# KiCad board led_mapper_850.kicad_pcb (continued)
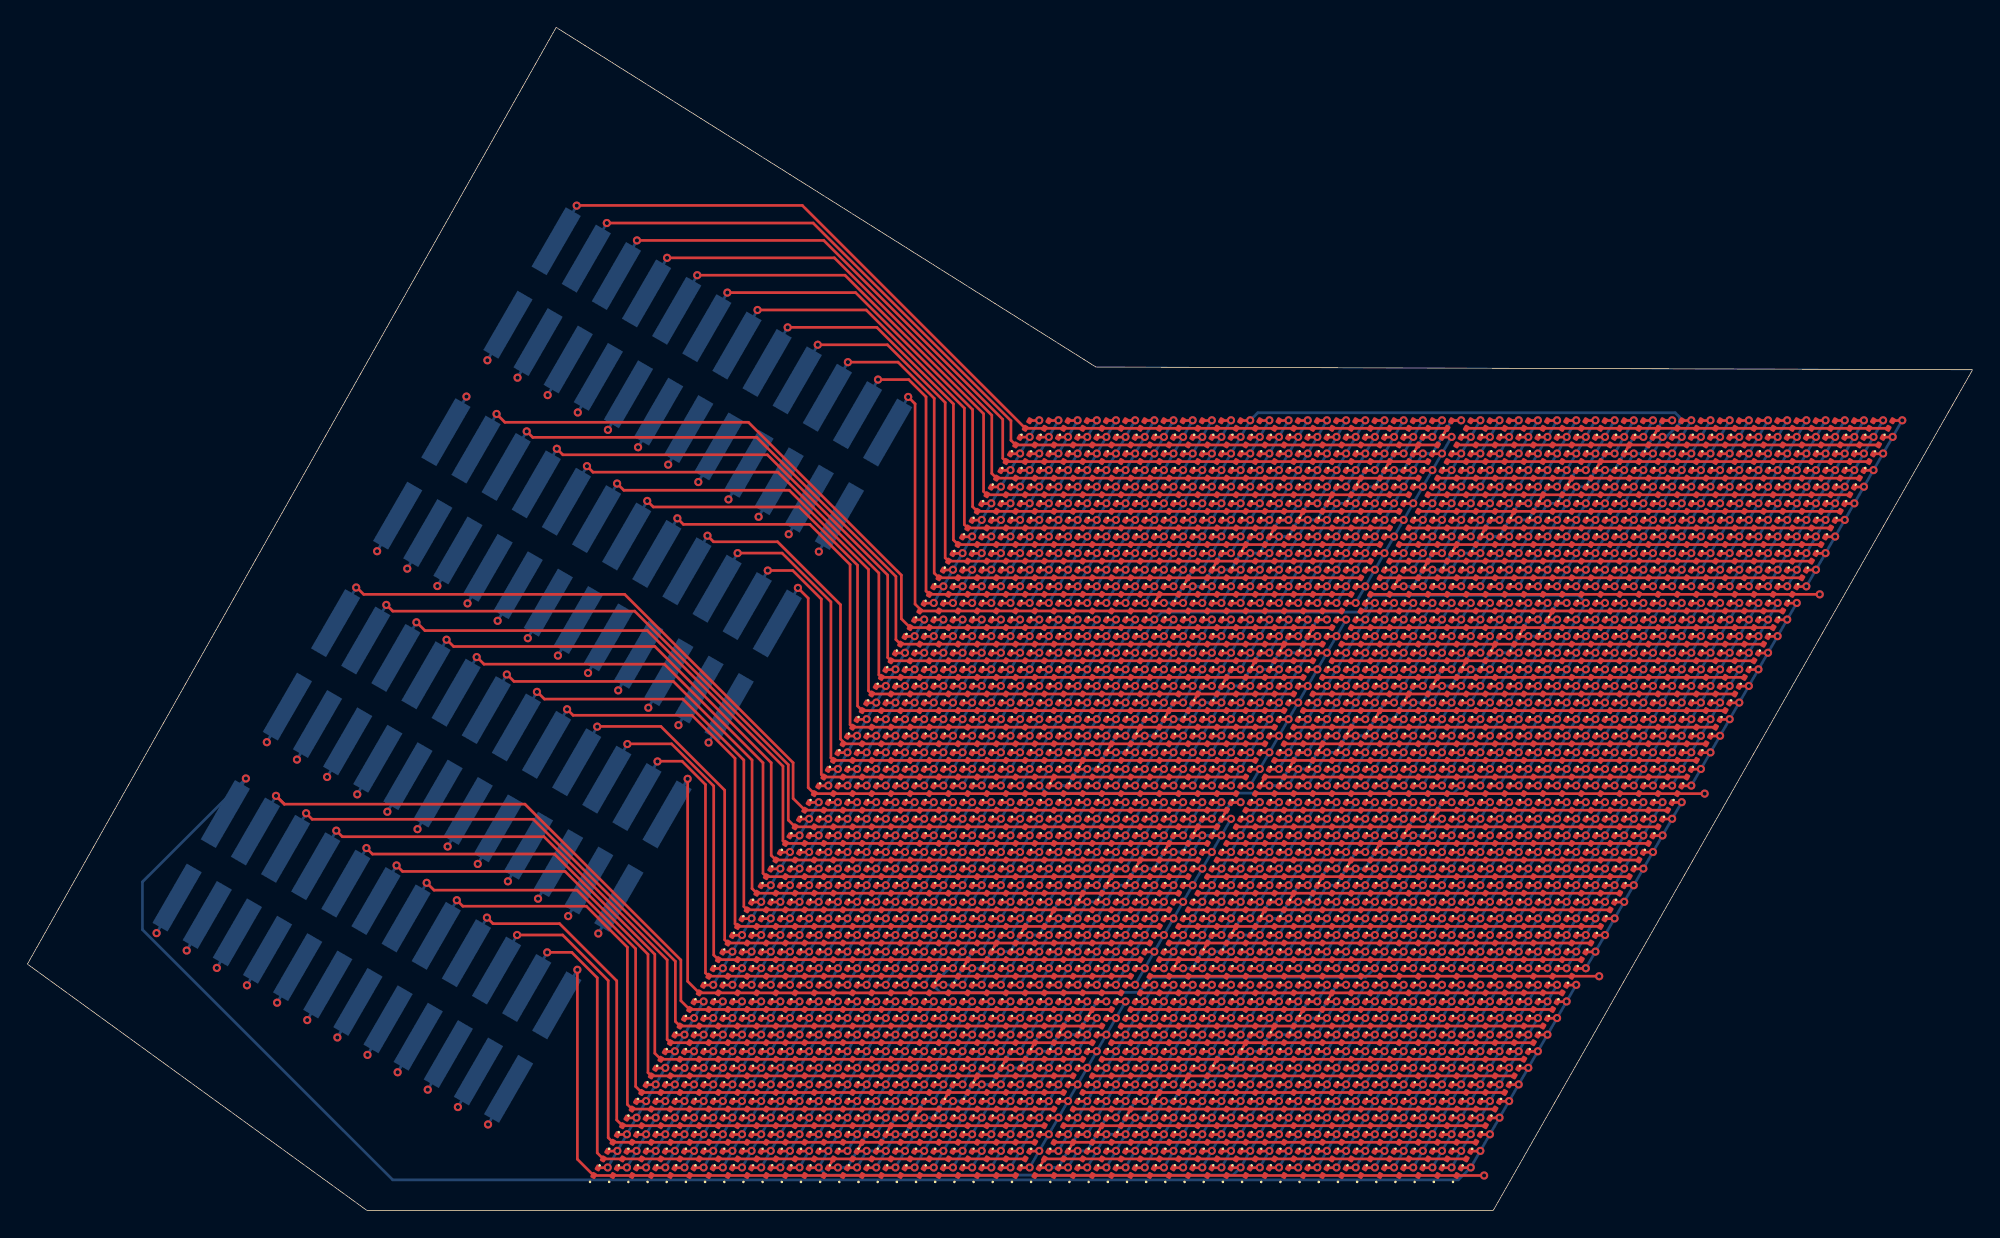
[diagram p0: board, top side]
## Placement (name value [footprint] x y rotation side) (continued)
D1902  LED  [LED_0201_0603Metric]  55.5 10.12 60 top
D1903  LED  [LED_0201_0603Metric]  54.1 10.12 60 top
D1904  LED  [LED_0201_0603Metric]  52.7 10.12 60 top
D1905  LED  [LED_0201_0603Metric]  51.3 10.12 60 top
D1906  LED  [LED_0201_0603Metric]  49.9 10.12 60 top
D1907  LED  [LED_0201_0603Metric]  48.5 10.12 60 top
D1908  LED  [LED_0201_0603Metric]  47.1 10.12 60 top
D1909  LED  [LED_0201_0603Metric]  45.7 10.12 60 top
D1910  LED  [LED_0201_0603Metric]  109.4 11.33 60 top
D1911  LED  [LED_0201_0603Metric]  108 11.33 60 top
D1912  LED  [LED_0201_0603Metric]  106.6 11.33 60 top
D1913  LED  [LED_0201_0603Metric]  105.2 11.33 60 top
D1914  LED  [LED_0201_0603Metric]  103.8 11.33 60 top
D1915  LED  [LED_0201_0603Metric]  102.4 11.33 60 top
D1916  LED  [LED_0201_0603Metric]  101 11.33 60 top
D1917  LED  [LED_0201_0603Metric]  99.6 11.33 60 top
D1918  LED  [LED_0201_0603Metric]  98.2 11.33 60 top
D1919  LED  [LED_0201_0603Metric]  96.8 11.33 60 top
D1920  LED  [LED_0201_0603Metric]  95.4 11.33 60 top
D1921  LED  [LED_0201_0603Metric]  94 11.33 60 top
D1922  LED  [LED_0201_0603Metric]  92.6 11.33 60 top
D1923  LED  [LED_0201_0603Metric]  91.2 11.33 60 top
D1924  LED  [LED_0201_0603Metric]  89.8 11.33 60 top
D1925  LED  [LED_0201_0603Metric]  88.4 11.33 60 top
D1926  LED  [LED_0201_0603Metric]  87 11.33 60 top
D1927  LED  [LED_0201_0603Metric]  85.6 11.33 60 top
D1928  LED  [LED_0201_0603Metric]  84.2 11.33 60 top
D1929  LED  [LED_0201_0603Metric]  82.8 11.33 60 top
D1930  LED  [LED_0201_0603Metric]  81.4 11.33 60 top
D1931  LED  [LED_0201_0603Metric]  80 11.33 60 top
D1932  LED  [LED_0201_0603Metric]  78.6 11.33 60 top
D1933  LED  [LED_0201_0603Metric]  77.2 11.33 60 top
D1934  LED  [LED_0201_0603Metric]  75.8 11.33 60 top
D1935  LED  [LED_0201_0603Metric]  74.4 11.33 60 top
D1936  LED  [LED_0201_0603Metric]  73 11.33 60 top
D1937  LED  [LED_0201_0603Metric]  71.6 11.33 60 top
D1938  LED  [LED_0201_0603Metric]  70.2 11.33 60 top
D1939  LED  [LED_0201_0603Metric]  68.8 11.33 60 top
D1940  LED  [LED_0201_0603Metric]  67.4 11.33 60 top
D1941  LED  [LED_0201_0603Metric]  66 11.33 60 top
D1942  LED  [LED_0201_0603Metric]  64.6 11.33 60 top
D1943  LED  [LED_0201_0603Metric]  63.2 11.33 60 top
D1944  LED  [LED_0201_0603Metric]  61.8 11.33 60 top
D1945  LED  [LED_0201_0603Metric]  60.4 11.33 60 top
D1946  LED  [LED_0201_0603Metric]  59 11.33 60 top
D1947  LED  [LED_0201_0603Metric]  57.6 11.33 60 top
D1948  LED  [LED_0201_0603Metric]  56.2 11.33 60 top
D1949  LED  [LED_0201_0603Metric]  54.8 11.33 60 top
D1950  LED  [LED_0201_0603Metric]  53.4 11.33 60 top
D1951  LED  [LED_0201_0603Metric]  52 11.33 60 top
D1952  LED  [LED_0201_0603Metric]  50.6 11.33 60 top
D1953  LED  [LED_0201_0603Metric]  49.2 11.33 60 top
D1954  LED  [LED_0201_0603Metric]  47.8 11.33 60 top
D1955  LED  [LED_0201_0603Metric]  46.4 11.33 60 top
D1956  LED  [LED_0201_0603Metric]  110.1 12.54 60 top
D1957  LED  [LED_0201_0603Metric]  108.7 12.54 60 top
D1958  LED  [LED_0201_0603Metric]  107.3 12.54 60 top
D1959  LED  [LED_0201_0603Metric]  105.9 12.54 60 top
D1960  LED  [LED_0201_0603Metric]  104.5 12.54 60 top
D1961  LED  [LED_0201_0603Metric]  103.1 12.54 60 top
D1962  LED  [LED_0201_0603Metric]  101.7 12.54 60 top
D1963  LED  [LED_0201_0603Metric]  100.3 12.54 60 top
D1964  LED  [LED_0201_0603Metric]  98.9 12.54 60 top
D1965  LED  [LED_0201_0603Metric]  97.5 12.54 60 top
D1966  LED  [LED_0201_0603Metric]  96.1 12.54 60 top
D1967  LED  [LED_0201_0603Metric]  94.7 12.54 60 top
D1968  LED  [LED_0201_0603Metric]  93.3 12.54 60 top
D1969  LED  [LED_0201_0603Metric]  91.9 12.54 60 top
D1970  LED  [LED_0201_0603Metric]  90.5 12.54 60 top
D1971  LED  [LED_0201_0603Metric]  89.1 12.54 60 top
D1972  LED  [LED_0201_0603Metric]  87.7 12.54 60 top
D1973  LED  [LED_0201_0603Metric]  86.3 12.54 60 top
D1974  LED  [LED_0201_0603Metric]  84.9 12.54 60 top
D1975  LED  [LED_0201_0603Metric]  83.5 12.54 60 top
D1976  LED  [LED_0201_0603Metric]  82.1 12.54 60 top
D1977  LED  [LED_0201_0603Metric]  80.7 12.54 60 top
D1978  LED  [LED_0201_0603Metric]  79.3 12.54 60 top
D1979  LED  [LED_0201_0603Metric]  77.9 12.54 60 top
D1980  LED  [LED_0201_0603Metric]  76.5 12.54 60 top
D1981  LED  [LED_0201_0603Metric]  75.1 12.54 60 top
D1982  LED  [LED_0201_0603Metric]  73.7 12.54 60 top
D1983  LED  [LED_0201_0603Metric]  72.3 12.54 60 top
D1984  LED  [LED_0201_0603Metric]  70.9 12.54 60 top
D1985  LED  [LED_0201_0603Metric]  69.5 12.54 60 top
D1986  LED  [LED_0201_0603Metric]  68.1 12.54 60 top
D1987  LED  [LED_0201_0603Metric]  66.7 12.54 60 top
D1988  LED  [LED_0201_0603Metric]  65.3 12.54 60 top
D1989  LED  [LED_0201_0603Metric]  63.9 12.54 60 top
D1990  LED  [LED_0201_0603Metric]  62.5 12.54 60 top
D1991  LED  [LED_0201_0603Metric]  61.1 12.54 60 top
D1992  LED  [LED_0201_0603Metric]  59.7 12.54 60 top
D1993  LED  [LED_0201_0603Metric]  58.3 12.54 60 top
D1994  LED  [LED_0201_0603Metric]  56.9 12.54 60 top
D1995  LED  [LED_0201_0603Metric]  55.5 12.54 60 top
D1996  LED  [LED_0201_0603Metric]  54.1 12.54 60 top
D1997  LED  [LED_0201_0603Metric]  52.7 12.54 60 top
D1998  LED  [LED_0201_0603Metric]  51.3 12.54 60 top
D1999  LED  [LED_0201_0603Metric]  49.9 12.54 60 top
D2000  LED  [LED_0201_0603Metric]  48.5 12.54 60 top
D2001  LED  [LED_0201_0603Metric]  47.1 12.54 60 top
D2002  LED  [LED_0201_0603Metric]  110.8 13.75 60 top
D2003  LED  [LED_0201_0603Metric]  109.4 13.75 60 top
D2004  LED  [LED_0201_0603Metric]  108 13.75 60 top
D2005  LED  [LED_0201_0603Metric]  106.6 13.75 60 top
D2006  LED  [LED_0201_0603Metric]  105.2 13.75 60 top
D2007  LED  [LED_0201_0603Metric]  103.8 13.75 60 top
D2008  LED  [LED_0201_0603Metric]  102.4 13.75 60 top
D2009  LED  [LED_0201_0603Metric]  101 13.75 60 top
D2010  LED  [LED_0201_0603Metric]  99.6 13.75 60 top
D2011  LED  [LED_0201_0603Metric]  98.2 13.75 60 top
D2012  LED  [LED_0201_0603Metric]  96.8 13.75 60 top
D2013  LED  [LED_0201_0603Metric]  95.4 13.75 60 top
D2014  LED  [LED_0201_0603Metric]  94 13.75 60 top
D2015  LED  [LED_0201_0603Metric]  92.6 13.75 60 top
D2016  LED  [LED_0201_0603Metric]  91.2 13.75 60 top
D2017  LED  [LED_0201_0603Metric]  89.8 13.75 60 top
D2018  LED  [LED_0201_0603Metric]  88.4 13.75 60 top
D2019  LED  [LED_0201_0603Metric]  87 13.75 60 top
D2020  LED  [LED_0201_0603Metric]  85.6 13.75 60 top
D2021  LED  [LED_0201_0603Metric]  84.2 13.75 60 top
D2022  LED  [LED_0201_0603Metric]  82.8 13.75 60 top
D2023  LED  [LED_0201_0603Metric]  81.4 13.75 60 top
D2024  LED  [LED_0201_0603Metric]  80 13.75 60 top
D2025  LED  [LED_0201_0603Metric]  78.6 13.75 60 top
D2026  LED  [LED_0201_0603Metric]  77.2 13.75 60 top
D2027  LED  [LED_0201_0603Metric]  75.8 13.75 60 top
D2028  LED  [LED_0201_0603Metric]  74.4 13.75 60 top
D2029  LED  [LED_0201_0603Metric]  73 13.75 60 top
D2030  LED  [LED_0201_0603Metric]  71.6 13.75 60 top
D2031  LED  [LED_0201_0603Metric]  70.2 13.75 60 top
D2032  LED  [LED_0201_0603Metric]  68.8 13.75 60 top
D2033  LED  [LED_0201_0603Metric]  67.4 13.75 60 top
D2034  LED  [LED_0201_0603Metric]  66 13.75 60 top
D2035  LED  [LED_0201_0603Metric]  64.6 13.75 60 top
D2036  LED  [LED_0201_0603Metric]  63.2 13.75 60 top
D2037  LED  [LED_0201_0603Metric]  61.8 13.75 60 top
D2038  LED  [LED_0201_0603Metric]  60.4 13.75 60 top
D2039  LED  [LED_0201_0603Metric]  59 13.75 60 top
D2040  LED  [LED_0201_0603Metric]  57.6 13.75 60 top
D2041  LED  [LED_0201_0603Metric]  56.2 13.75 60 top
D2042  LED  [LED_0201_0603Metric]  54.8 13.75 60 top
D2043  LED  [LED_0201_0603Metric]  53.4 13.75 60 top
D2044  LED  [LED_0201_0603Metric]  52 13.75 60 top
D2045  LED  [LED_0201_0603Metric]  50.6 13.75 60 top
D2046  LED  [LED_0201_0603Metric]  49.2 13.75 60 top
D2047  LED  [LED_0201_0603Metric]  47.8 13.75 60 top
D2048  LED  [LED_0201_0603Metric]  111.5 14.96 60 top
D2049  LED  [LED_0201_0603Metric]  110.1 14.96 60 top
D2050  LED  [LED_0201_0603Metric]  108.7 14.96 60 top
D2051  LED  [LED_0201_0603Metric]  107.3 14.96 60 top
D2052  LED  [LED_0201_0603Metric]  105.9 14.96 60 top
D2053  LED  [LED_0201_0603Metric]  104.5 14.96 60 top
D2054  LED  [LED_0201_0603Metric]  103.1 14.96 60 top
D2055  LED  [LED_0201_0603Metric]  101.7 14.96 60 top
D2056  LED  [LED_0201_0603Metric]  100.3 14.96 60 top
D2057  LED  [LED_0201_0603Metric]  98.9 14.96 60 top
D2058  LED  [LED_0201_0603Metric]  97.5 14.96 60 top
D2059  LED  [LED_0201_0603Metric]  96.1 14.96 60 top
D2060  LED  [LED_0201_0603Metric]  94.7 14.96 60 top
D2061  LED  [LED_0201_0603Metric]  93.3 14.96 60 top
D2062  LED  [LED_0201_0603Metric]  91.9 14.96 60 top
D2063  LED  [LED_0201_0603Metric]  90.5 14.96 60 top
D2064  LED  [LED_0201_0603Metric]  89.1 14.96 60 top
D2065  LED  [LED_0201_0603Metric]  87.7 14.96 60 top
D2066  LED  [LED_0201_0603Metric]  86.3 14.96 60 top
D2067  LED  [LED_0201_0603Metric]  84.9 14.96 60 top
D2068  LED  [LED_0201_0603Metric]  83.5 14.96 60 top
D2069  LED  [LED_0201_0603Metric]  82.1 14.96 60 top
D2070  LED  [LED_0201_0603Metric]  80.7 14.96 60 top
D2071  LED  [LED_0201_0603Metric]  79.3 14.96 60 top
D2072  LED  [LED_0201_0603Metric]  77.9 14.96 60 top
D2073  LED  [LED_0201_0603Metric]  76.5 14.96 60 top
D2074  LED  [LED_0201_0603Metric]  75.1 14.96 60 top
D2075  LED  [LED_0201_0603Metric]  73.7 14.96 60 top
D2076  LED  [LED_0201_0603Metric]  72.3 14.96 60 top
D2077  LED  [LED_0201_0603Metric]  70.9 14.96 60 top
D2078  LED  [LED_0201_0603Metric]  69.5 14.96 60 top
D2079  LED  [LED_0201_0603Metric]  68.1 14.96 60 top
D2080  LED  [LED_0201_0603Metric]  66.7 14.96 60 top
D2081  LED  [LED_0201_0603Metric]  65.3 14.96 60 top
D2082  LED  [LED_0201_0603Metric]  63.9 14.96 60 top
D2083  LED  [LED_0201_0603Metric]  62.5 14.96 60 top
D2084  LED  [LED_0201_0603Metric]  61.1 14.96 60 top
D2085  LED  [LED_0201_0603Metric]  59.7 14.96 60 top
D2086  LED  [LED_0201_0603Metric]  58.3 14.96 60 top
D2087  LED  [LED_0201_0603Metric]  56.9 14.96 60 top
D2088  LED  [LED_0201_0603Metric]  55.5 14.96 60 top
D2089  LED  [LED_0201_0603Metric]  54.1 14.96 60 top
D2090  LED  [LED_0201_0603Metric]  52.7 14.96 60 top
D2091  LED  [LED_0201_0603Metric]  51.3 14.96 60 top
D2092  LED  [LED_0201_0603Metric]  49.9 14.96 60 top
D2093  LED  [LED_0201_0603Metric]  48.5 14.96 60 top
D2094  LED  [LED_0201_0603Metric]  112.2 16.18 60 top
D2095  LED  [LED_0201_0603Metric]  110.8 16.18 60 top
D2096  LED  [LED_0201_0603Metric]  109.4 16.18 60 top
D2097  LED  [LED_0201_0603Metric]  108 16.18 60 top
D2098  LED  [LED_0201_0603Metric]  106.6 16.18 60 top
D2099  LED  [LED_0201_0603Metric]  105.2 16.18 60 top
D2100  LED  [LED_0201_0603Metric]  103.8 16.18 60 top
D2101  LED  [LED_0201_0603Metric]  102.4 16.18 60 top
D2102  LED  [LED_0201_0603Metric]  101 16.18 60 top
D2103  LED  [LED_0201_0603Metric]  99.6 16.18 60 top
D2104  LED  [LED_0201_0603Metric]  98.2 16.18 60 top
D2105  LED  [LED_0201_0603Metric]  96.8 16.18 60 top
D2106  LED  [LED_0201_0603Metric]  95.4 16.18 60 top
D2107  LED  [LED_0201_0603Metric]  94 16.18 60 top
D2108  LED  [LED_0201_0603Metric]  92.6 16.18 60 top
D2109  LED  [LED_0201_0603Metric]  91.2 16.18 60 top
D2110  LED  [LED_0201_0603Metric]  89.8 16.18 60 top
D2111  LED  [LED_0201_0603Metric]  88.4 16.18 60 top
D2112  LED  [LED_0201_0603Metric]  87 16.18 60 top
D2113  LED  [LED_0201_0603Metric]  85.6 16.18 60 top
D2114  LED  [LED_0201_0603Metric]  84.2 16.18 60 top
D2115  LED  [LED_0201_0603Metric]  82.8 16.18 60 top
D2116  LED  [LED_0201_0603Metric]  81.4 16.18 60 top
J1  Conn_02x12_Top_Bottom  [PinSocket_2x12_P2.54mm_Vertical_SMD_custom]  48.94 60.75 60 bottom
J2  Conn_02x12_Top_Bottom  [PinSocket_2x12_P2.54mm_Vertical_SMD_custom]  40.89 46.81 240 bottom
J3  Conn_02x12_Top_Bottom  [PinSocket_2x12_P2.54mm_Vertical_SMD_custom]  32.84 32.87 60 bottom
J4  Conn_02x12_Top_Bottom  [PinSocket_2x12_P2.54mm_Vertical_SMD_custom]  24.79 18.92 240 bottom

## Library data of the parts
D1-D2116 = -: Description: Light emitting diode, rotated by 45°; ki_fp_filters: LED* LED_SMD:* LED_THT:*
J1-J4 = -: Description: Generic connector, double row, 02x12, top/bottom pin numbering scheme (row 1: 1...pins_per_row, row2: pins_per_row+1 ... num_pins), script generated (kicad-library-utils/schlib/autogen/connector/); ki_fp_filters: Connector*:*_2x??_*

## Footprints (pads in the part's own frame, mm; a bottom-side part is the same pattern mirrored in y, then rotated)
LED_0201_0603Metric
  rrect 0.318x0.36 smd: (-0.345,0) (0.345,0)
  rrect 0.46x0.4 smd: 1(-0.32,0) 2(0.32,0)
PinSocket_2x12_P2.54mm_Vertical_SMD_custom
  rect 5x1.27 smd: 1(-3.52,13.97) 2(-3.52,11.43) 3(-3.52,8.89) 4(-3.52,6.35) 5(-3.52,3.81) 6(-3.52,1.27) 7(-3.52,-1.27) 8(-3.52,-3.81) 9(-3.52,-6.35) 10(-3.52,-8.89) 11(-3.52,-11.43) 12(-3.52,-13.97) 13(3.52,13.97) 14(3.52,11.43) 15(3.52,8.89) 16(3.52,6.35) 17(3.52,3.81) 18(3.52,1.27) 19(3.52,-1.27) 20(3.52,-3.81) 21(3.52,-6.35) 22(3.52,-8.89) 23(3.52,-11.43) 24(3.52,-13.97)

## Nets
/network1/P01: D1.2 D24.2 D47.2 D70.2 D93.2 D116.2 D139.2 D162.2 D185.2 D208.2 D231.2 D254.2 D277.2 D300.2 D323.2 D346.2 D369.2 D392.2 D415.2 D438.2 D461.2 D484.2 D507.2 J1.1
/network1/P02: D2.2 D25.2 D48.2 D71.2 D94.2 D117.2 D140.2 D163.2 D186.2 D209.2 D232.2 D255.2 D278.2 D301.2 D324.2 D347.2 D370.2 D393.2 D416.2 D439.2 D462.2 D484.1 D485.1 D486.1 D487.1 D488.1 D489.1 D490.1 D491.1 D492.1 D493.1 D494.1 D495.1 D496.1 D497.1 D498.1 D499.1 D500.1 D501.1 D502.1 D503.1 D504.1 D505.1 D506.1 D508.2 J1.2
/network1/P03: D3.2 D26.2 D49.2 D72.2 D95.2 D118.2 D141.2 D164.2 D187.2 D210.2 D233.2 D256.2 D279.2 D302.2 D325.2 D348.2 D371.2 D394.2 D417.2 D438.1 D439.1 D440.1 D441.1 D442.1 D443.1 D444.1 D445.1 D446.1 D447.1 D448.1 D449.1 D450.1 D451.1 D452.1 D453.1 D454.1 D455.1 D456.1 D457.1 D458.1 D459.1 D460.1 D463.2 D485.2 D509.2 J1.3
/network1/P04: D4.2 D27.2 D50.2 D73.2 D96.2 D119.2 D142.2 D165.2 D188.2 D211.2 D234.2 D257.2 D280.2 D303.2 D326.2 D349.2 D372.2 D392.1 D393.1 D394.1 D395.1 D396.1 D397.1 D398.1 D399.1 D400.1 D401.1 D402.1 D403.1 D404.1 D405.1 D406.1 D407.1 D408.1 D409.1 D410.1 D411.1 D412.1 D413.1 D414.1 D418.2 D440.2 D464.2 D486.2 D510.2 J1.4
/network1/P05: D5.2 D28.2 D51.2 D74.2 D97.2 D120.2 D143.2 D166.2 D189.2 D212.2 D235.2 D258.2 D281.2 D304.2 D327.2 D346.1 D347.1 D348.1 D349.1 D350.1 D351.1 D352.1 D353.1 D354.1 D355.1 D356.1 D357.1 D358.1 D359.1 D360.1 D361.1 D362.1 D363.1 D364.1 D365.1 D366.1 D367.1 D368.1 D373.2 D395.2 D419.2 D441.2 D465.2 D487.2 D511.2 J1.5
/network1/P06: D6.2 D29.2 D52.2 D75.2 D98.2 D121.2 D144.2 D167.2 D190.2 D213.2 D236.2 D259.2 D282.2 D300.1 D301.1 D302.1 D303.1 D304.1 D305.1 D306.1 D307.1 D308.1 D309.1 D310.1 D311.1 D312.1 D313.1 D314.1 D315.1 D316.1 D317.1 D318.1 D319.1 D320.1 D321.1 D322.1 D328.2 D350.2 D374.2 D396.2 D420.2 D442.2 D466.2 D488.2 D512.2 J1.6
/network1/P07: D7.2 D30.2 D53.2 D76.2 D99.2 D122.2 D145.2 D168.2 D191.2 D214.2 D237.2 D254.1 D255.1 D256.1 D257.1 D258.1 D259.1 D260.1 D261.1 D262.1 D263.1 D264.1 D265.1 D266.1 D267.1 D268.1 D269.1 D270.1 D271.1 D272.1 D273.1 D274.1 D275.1 D276.1 D283.2 D305.2 D329.2 D351.2 D375.2 D397.2 D421.2 D443.2 D467.2 D489.2 D513.2 J1.7
/network1/P08: D8.2 D31.2 D54.2 D77.2 D100.2 D123.2 D146.2 D169.2 D192.2 D208.1 D209.1 D210.1 D211.1 D212.1 D213.1 D214.1 D215.1 D216.1 D217.1 D218.1 D219.1 D220.1 D221.1 D222.1 D223.1 D224.1 D225.1 D226.1 D227.1 D228.1 D229.1 D230.1 D238.2 D260.2 D284.2 D306.2 D330.2 D352.2 D376.2 D398.2 D422.2 D444.2 D468.2 D490.2 D514.2 J1.8
/network1/P09: D9.2 D32.2 D55.2 D78.2 D101.2 D124.2 D147.2 D162.1 D163.1 D164.1 D165.1 D166.1 D167.1 D168.1 D169.1 D170.1 D171.1 D172.1 D173.1 D174.1 D175.1 D176.1 D177.1 D178.1 D179.1 D180.1 D181.1 D182.1 D183.1 D184.1 D193.2 D215.2 D239.2 D261.2 D285.2 D307.2 D331.2 D353.2 D377.2 D399.2 D423.2 D445.2 D469.2 D491.2 D515.2 J1.9
/network1/P10: D10.2 D33.2 D56.2 D79.2 D102.2 D116.1 D117.1 D118.1 D119.1 D120.1 D121.1 D122.1 D123.1 D124.1 D125.1 D126.1 D127.1 D128.1 D129.1 D130.1 D131.1 D132.1 D133.1 D134.1 D135.1 D136.1 D137.1 D138.1 D148.2 D170.2 D194.2 D216.2 D240.2 D262.2 D286.2 D308.2 D332.2 D354.2 D378.2 D400.2 D424.2 D446.2 D470.2 D492.2 D516.2 J1.10
/network1/P11: D11.2 D34.2 D57.2 D70.1 D71.1 D72.1 D73.1 D74.1 D75.1 D76.1 D77.1 D78.1 D79.1 D80.1 D81.1 D82.1 D83.1 D84.1 D85.1 D86.1 D87.1 D88.1 D89.1 D90.1 D91.1 D92.1 D103.2 D125.2 D149.2 D171.2 D195.2 D217.2 D241.2 D263.2 D287.2 D309.2 D333.2 D355.2 D379.2 D401.2 D425.2 D447.2 D471.2 D493.2 D517.2 J1.11
/network1/P12: D12.2 D24.1 D25.1 D26.1 D27.1 D28.1 D29.1 D30.1 D31.1 D32.1 D33.1 D34.1 D35.1 D36.1 D37.1 D38.1 D39.1 D40.1 D41.1 D42.1 D43.1 D44.1 D45.1 D46.1 D58.2 D80.2 D104.2 D126.2 D150.2 D172.2 D196.2 D218.2 D242.2 D264.2 D288.2 D310.2 D334.2 D356.2 D380.2 D402.2 D426.2 D448.2 D472.2 D494.2 D518.2 J1.12
/network1/P13: D13.2 D35.2 D59.2 D81.2 D105.2 D127.2 D151.2 D173.2 D197.2 D219.2 D243.2 D265.2 D289.2 D311.2 D335.2 D357.2 D381.2 D403.2 D427.2 D449.2 D473.2 D495.2 D507.1 D508.1 D509.1 D510.1 D511.1 D512.1 D513.1 D514.1 D515.1 D516.1 D517.1 D518.1 D519.1 D520.1 D521.1 D522.1 D523.1 D524.1 D525.1 D526.1 D527.1 D528.1 D529.1 J1.13
/network1/P14: D14.2 D36.2 D60.2 D82.2 D106.2 D128.2 D152.2 D174.2 D198.2 D220.2 D244.2 D266.2 D290.2 D312.2 D336.2 D358.2 D382.2 D404.2 D428.2 D450.2 D461.1 D462.1 D463.1 D464.1 D465.1 D466.1 D467.1 D468.1 D469.1 D470.1 D471.1 D472.1 D473.1 D474.1 D475.1 D476.1 D477.1 D478.1 D479.1 D480.1 D481.1 D482.1 D483.1 D496.2 D519.2 J1.14
/network1/P15: D15.2 D37.2 D61.2 D83.2 D107.2 D129.2 D153.2 D175.2 D199.2 D221.2 D245.2 D267.2 D291.2 D313.2 D337.2 D359.2 D383.2 D405.2 D415.1 D416.1 D417.1 D418.1 D419.1 D420.1 D421.1 D422.1 D423.1 D424.1 D425.1 D426.1 D427.1 D428.1 D429.1 D430.1 D431.1 D432.1 D433.1 D434.1 D435.1 D436.1 D437.1 D451.2 D474.2 D497.2 D520.2 J1.15
/network1/P16: D16.2 D38.2 D62.2 D84.2 D108.2 D130.2 D154.2 D176.2 D200.2 D222.2 D246.2 D268.2 D292.2 D314.2 D338.2 D360.2 D369.1 D370.1 D371.1 D372.1 D373.1 D374.1 D375.1 D376.1 D377.1 D378.1 D379.1 D380.1 D381.1 D382.1 D383.1 D384.1 D385.1 D386.1 D387.1 D388.1 D389.1 D390.1 D391.1 D406.2 D429.2 D452.2 D475.2 D498.2 D521.2 J1.16
/network1/P17: D17.2 D39.2 D63.2 D85.2 D109.2 D131.2 D155.2 D177.2 D201.2 D223.2 D247.2 D269.2 D293.2 D315.2 D323.1 D324.1 D325.1 D326.1 D327.1 D328.1 D329.1 D330.1 D331.1 D332.1 D333.1 D334.1 D335.1 D336.1 D337.1 D338.1 D339.1 D340.1 D341.1 D342.1 D343.1 D344.1 D345.1 D361.2 D384.2 D407.2 D430.2 D453.2 D476.2 D499.2 D522.2 J1.17
/network1/P18: D18.2 D40.2 D64.2 D86.2 D110.2 D132.2 D156.2 D178.2 D202.2 D224.2 D248.2 D270.2 D277.1 D278.1 D279.1 D280.1 D281.1 D282.1 D283.1 D284.1 D285.1 D286.1 D287.1 D288.1 D289.1 D290.1 D291.1 D292.1 D293.1 D294.1 D295.1 D296.1 D297.1 D298.1 D299.1 D316.2 D339.2 D362.2 D385.2 D408.2 D431.2 D454.2 D477.2 D500.2 D523.2 J1.18
/network1/P19: D19.2 D41.2 D65.2 D87.2 D111.2 D133.2 D157.2 D179.2 D203.2 D225.2 D231.1 D232.1 D233.1 D234.1 D235.1 D236.1 D237.1 D238.1 D239.1 D240.1 D241.1 D242.1 D243.1 D244.1 D245.1 D246.1 D247.1 D248.1 D249.1 D250.1 D251.1 D252.1 D253.1 D271.2 D294.2 D317.2 D340.2 D363.2 D386.2 D409.2 D432.2 D455.2 D478.2 D501.2 D524.2 J1.19
/network1/P20: D20.2 D42.2 D66.2 D88.2 D112.2 D134.2 D158.2 D180.2 D185.1 D186.1 D187.1 D188.1 D189.1 D190.1 D191.1 D192.1 D193.1 D194.1 D195.1 D196.1 D197.1 D198.1 D199.1 D200.1 D201.1 D202.1 D203.1 D204.1 D205.1 D206.1 D207.1 D226.2 D249.2 D272.2 D295.2 D318.2 D341.2 D364.2 D387.2 D410.2 D433.2 D456.2 D479.2 D502.2 D525.2 J1.20
/network1/P21: D21.2 D43.2 D67.2 D89.2 D113.2 D135.2 D139.1 D140.1 D141.1 D142.1 D143.1 D144.1 D145.1 D146.1 D147.1 D148.1 D149.1 D150.1 D151.1 D152.1 D153.1 D154.1 D155.1 D156.1 D157.1 D158.1 D159.1 D160.1 D161.1 D181.2 D204.2 D227.2 D250.2 D273.2 D296.2 D319.2 D342.2 D365.2 D388.2 D411.2 D434.2 D457.2 D480.2 D503.2 D526.2 J1.21
/network1/P22: D22.2 D44.2 D68.2 D90.2 D93.1 D94.1 D95.1 D96.1 D97.1 D98.1 D99.1 D100.1 D101.1 D102.1 D103.1 D104.1 D105.1 D106.1 D107.1 D108.1 D109.1 D110.1 D111.1 D112.1 D113.1 D114.1 D115.1 D136.2 D159.2 D182.2 D205.2 D228.2 D251.2 D274.2 D297.2 D320.2 D343.2 D366.2 D389.2 D412.2 D435.2 D458.2 D481.2 D504.2 D527.2 J1.22
/network1/P23: D23.2 D45.2 D47.1 D48.1 D49.1 D50.1 D51.1 D52.1 D53.1 D54.1 D55.1 D56.1 D57.1 D58.1 D59.1 D60.1 D61.1 D62.1 D63.1 D64.1 D65.1 D66.1 D67.1 D68.1 D69.1 D91.2 D114.2 D137.2 D160.2 D183.2 D206.2 D229.2 D252.2 D275.2 D298.2 D321.2 D344.2 D367.2 D390.2 D413.2 D436.2 D459.2 D482.2 D505.2 D528.2 J1.23
/network1/P24: D1.1 D2.1 D3.1 D4.1 D5.1 D6.1 D7.1 D8.1 D9.1 D10.1 D11.1 D12.1 D13.1 D14.1 D15.1 D16.1 D17.1 D18.1 D19.1 D20.1 D21.1 D22.1 D23.1 D46.2 D69.2 D92.2 D115.2 D138.2 D161.2 D184.2 D207.2 D230.2 D253.2 D276.2 D299.2 D322.2 D345.2 D368.2 D391.2 D414.2 D437.2 D460.2 D483.2 D506.2 D529.2 J1.24
/network2/P01: D530.2 D553.2 D576.2 D599.2 D622.2 D645.2 D668.2 D691.2 D714.2 D737.2 D760.2 D783.2 D806.2 D829.2 D852.2 D875.2 D898.2 D921.2 D944.2 D967.2 D990.2 D1013.2 D1036.2 J2.1
/network2/P02: D531.2 D554.2 D577.2 D600.2 D623.2 D646.2 D669.2 D692.2 D715.2 D738.2 D761.2 D784.2 D807.2 D830.2 D853.2 D876.2 D899.2 D922.2 D945.2 D968.2 D991.2 D1013.1 D1014.1 D1015.1 D1016.1 D1017.1 D1018.1 D1019.1 D1020.1 D1021.1 D1022.1 D1023.1 D1024.1 D1025.1 D1026.1 D1027.1 D1028.1 D1029.1 D1030.1 D1031.1 D1032.1 D1033.1 D1034.1 D1035.1 D1037.2 J2.2
/network2/P03: D532.2 D555.2 D578.2 D601.2 D624.2 D647.2 D670.2 D693.2 D716.2 D739.2 D762.2 D785.2 D808.2 D831.2 D854.2 D877.2 D900.2 D923.2 D946.2 D967.1 D968.1 D969.1 D970.1 D971.1 D972.1 D973.1 D974.1 D975.1 D976.1 D977.1 D978.1 D979.1 D980.1 D981.1 D982.1 D983.1 D984.1 D985.1 D986.1 D987.1 D988.1 D989.1 D992.2 D1014.2 D1038.2 J2.3
/network2/P04: D533.2 D556.2 D579.2 D602.2 D625.2 D648.2 D671.2 D694.2 D717.2 D740.2 D763.2 D786.2 D809.2 D832.2 D855.2 D878.2 D901.2 D921.1 D922.1 D923.1 D924.1 D925.1 D926.1 D927.1 D928.1 D929.1 D930.1 D931.1 D932.1 D933.1 D934.1 D935.1 D936.1 D937.1 D938.1 D939.1 D940.1 D941.1 D942.1 D943.1 D947.2 D969.2 D993.2 D1015.2 D1039.2 J2.4
/network2/P05: D534.2 D557.2 D580.2 D603.2 D626.2 D649.2 D672.2 D695.2 D718.2 D741.2 D764.2 D787.2 D810.2 D833.2 D856.2 D875.1 D876.1 D877.1 D878.1 D879.1 D880.1 D881.1 D882.1 D883.1 D884.1 D885.1 D886.1 D887.1 D888.1 D889.1 D890.1 D891.1 D892.1 D893.1 D894.1 D895.1 D896.1 D897.1 D902.2 D924.2 D948.2 D970.2 D994.2 D1016.2 D1040.2 J2.5
/network2/P06: D535.2 D558.2 D581.2 D604.2 D627.2 D650.2 D673.2 D696.2 D719.2 D742.2 D765.2 D788.2 D811.2 D829.1 D830.1 D831.1 D832.1 D833.1 D834.1 D835.1 D836.1 D837.1 D838.1 D839.1 D840.1 D841.1 D842.1 D843.1 D844.1 D845.1 D846.1 D847.1 D848.1 D849.1 D850.1 D851.1 D857.2 D879.2 D903.2 D925.2 D949.2 D971.2 D995.2 D1017.2 D1041.2 J2.6
/network2/P07: D536.2 D559.2 D582.2 D605.2 D628.2 D651.2 D674.2 D697.2 D720.2 D743.2 D766.2 D783.1 D784.1 D785.1 D786.1 D787.1 D788.1 D789.1 D790.1 D791.1 D792.1 D793.1 D794.1 D795.1 D796.1 D797.1 D798.1 D799.1 D800.1 D801.1 D802.1 D803.1 D804.1 D805.1 D812.2 D834.2 D858.2 D880.2 D904.2 D926.2 D950.2 D972.2 D996.2 D1018.2 D1042.2 J2.7
/network2/P08: D537.2 D560.2 D583.2 D606.2 D629.2 D652.2 D675.2 D698.2 D721.2 D737.1 D738.1 D739.1 D740.1 D741.1 D742.1 D743.1 D744.1 D745.1 D746.1 D747.1 D748.1 D749.1 D750.1 D751.1 D752.1 D753.1 D754.1 D755.1 D756.1 D757.1 D758.1 D759.1 D767.2 D789.2 D813.2 D835.2 D859.2 D881.2 D905.2 D927.2 D951.2 D973.2 D997.2 D1019.2 D1043.2 J2.8
/network2/P09: D538.2 D561.2 D584.2 D607.2 D630.2 D653.2 D676.2 D691.1 D692.1 D693.1 D694.1 D695.1 D696.1 D697.1 D698.1 D699.1 D700.1 D701.1 D702.1 D703.1 D704.1 D705.1 D706.1 D707.1 D708.1 D709.1 D710.1 D711.1 D712.1 D713.1 D722.2 D744.2 D768.2 D790.2 D814.2 D836.2 D860.2 D882.2 D906.2 D928.2 D952.2 D974.2 D998.2 D1020.2 D1044.2 J2.9
/network2/P10: D539.2 D562.2 D585.2 D608.2 D631.2 D645.1 D646.1 D647.1 D648.1 D649.1 D650.1 D651.1 D652.1 D653.1 D654.1 D655.1 D656.1 D657.1 D658.1 D659.1 D660.1 D661.1 D662.1 D663.1 D664.1 D665.1 D666.1 D667.1 D677.2 D699.2 D723.2 D745.2 D769.2 D791.2 D815.2 D837.2 D861.2 D883.2 D907.2 D929.2 D953.2 D975.2 D999.2 D1021.2 D1045.2 J2.10
/network2/P11: D540.2 D563.2 D586.2 D599.1 D600.1 D601.1 D602.1 D603.1 D604.1 D605.1 D606.1 D607.1 D608.1 D609.1 D610.1 D611.1 D612.1 D613.1 D614.1 D615.1 D616.1 D617.1 D618.1 D619.1 D620.1 D621.1 D632.2 D654.2 D678.2 D700.2 D724.2 D746.2 D770.2 D792.2 D816.2 D838.2 D862.2 D884.2 D908.2 D930.2 D954.2 D976.2 D1000.2 D1022.2 D1046.2 J2.11
/network2/P12: D541.2 D553.1 D554.1 D555.1 D556.1 D557.1 D558.1 D559.1 D560.1 D561.1 D562.1 D563.1 D564.1 D565.1 D566.1 D567.1 D568.1 D569.1 D570.1 D571.1 D572.1 D573.1 D574.1 D575.1 D587.2 D609.2 D633.2 D655.2 D679.2 D701.2 D725.2 D747.2 D771.2 D793.2 D817.2 D839.2 D863.2 D885.2 D909.2 D931.2 D955.2 D977.2 D1001.2 D1023.2 D1047.2 J2.12
/network2/P13: D542.2 D564.2 D588.2 D610.2 D634.2 D656.2 D680.2 D702.2 D726.2 D748.2 D772.2 D794.2 D818.2 D840.2 D864.2 D886.2 D910.2 D932.2 D956.2 D978.2 D1002.2 D1024.2 D1036.1 D1037.1 D1038.1 D1039.1 D1040.1 D1041.1 D1042.1 D1043.1 D1044.1 D1045.1 D1046.1 D1047.1 D1048.1 D1049.1 D1050.1 D1051.1 D1052.1 D1053.1 D1054.1 D1055.1 D1056.1 D1057.1 D1058.1 J2.13
/network2/P14: D543.2 D565.2 D589.2 D611.2 D635.2 D657.2 D681.2 D703.2 D727.2 D749.2 D773.2 D795.2 D819.2 D841.2 D865.2 D887.2 D911.2 D933.2 D957.2 D979.2 D990.1 D991.1 D992.1 D993.1 D994.1 D995.1 D996.1 D997.1 D998.1 D999.1 D1000.1 D1001.1 D1002.1 D1003.1 D1004.1 D1005.1 D1006.1 D1007.1 D1008.1 D1009.1 D1010.1 D1011.1 D1012.1 D1025.2 D1048.2 J2.14
/network2/P15: D544.2 D566.2 D590.2 D612.2 D636.2 D658.2 D682.2 D704.2 D728.2 D750.2 D774.2 D796.2 D820.2 D842.2 D866.2 D888.2 D912.2 D934.2 D944.1 D945.1 D946.1 D947.1 D948.1 D949.1 D950.1 D951.1 D952.1 D953.1 D954.1 D955.1 D956.1 D957.1 D958.1 D959.1 D960.1 D961.1 D962.1 D963.1 D964.1 D965.1 D966.1 D980.2 D1003.2 D1026.2 D1049.2 J2.15